# Allegro board TDI_KU5P_QSFP28_CXP_V001-20240805_1841.brd (continued)
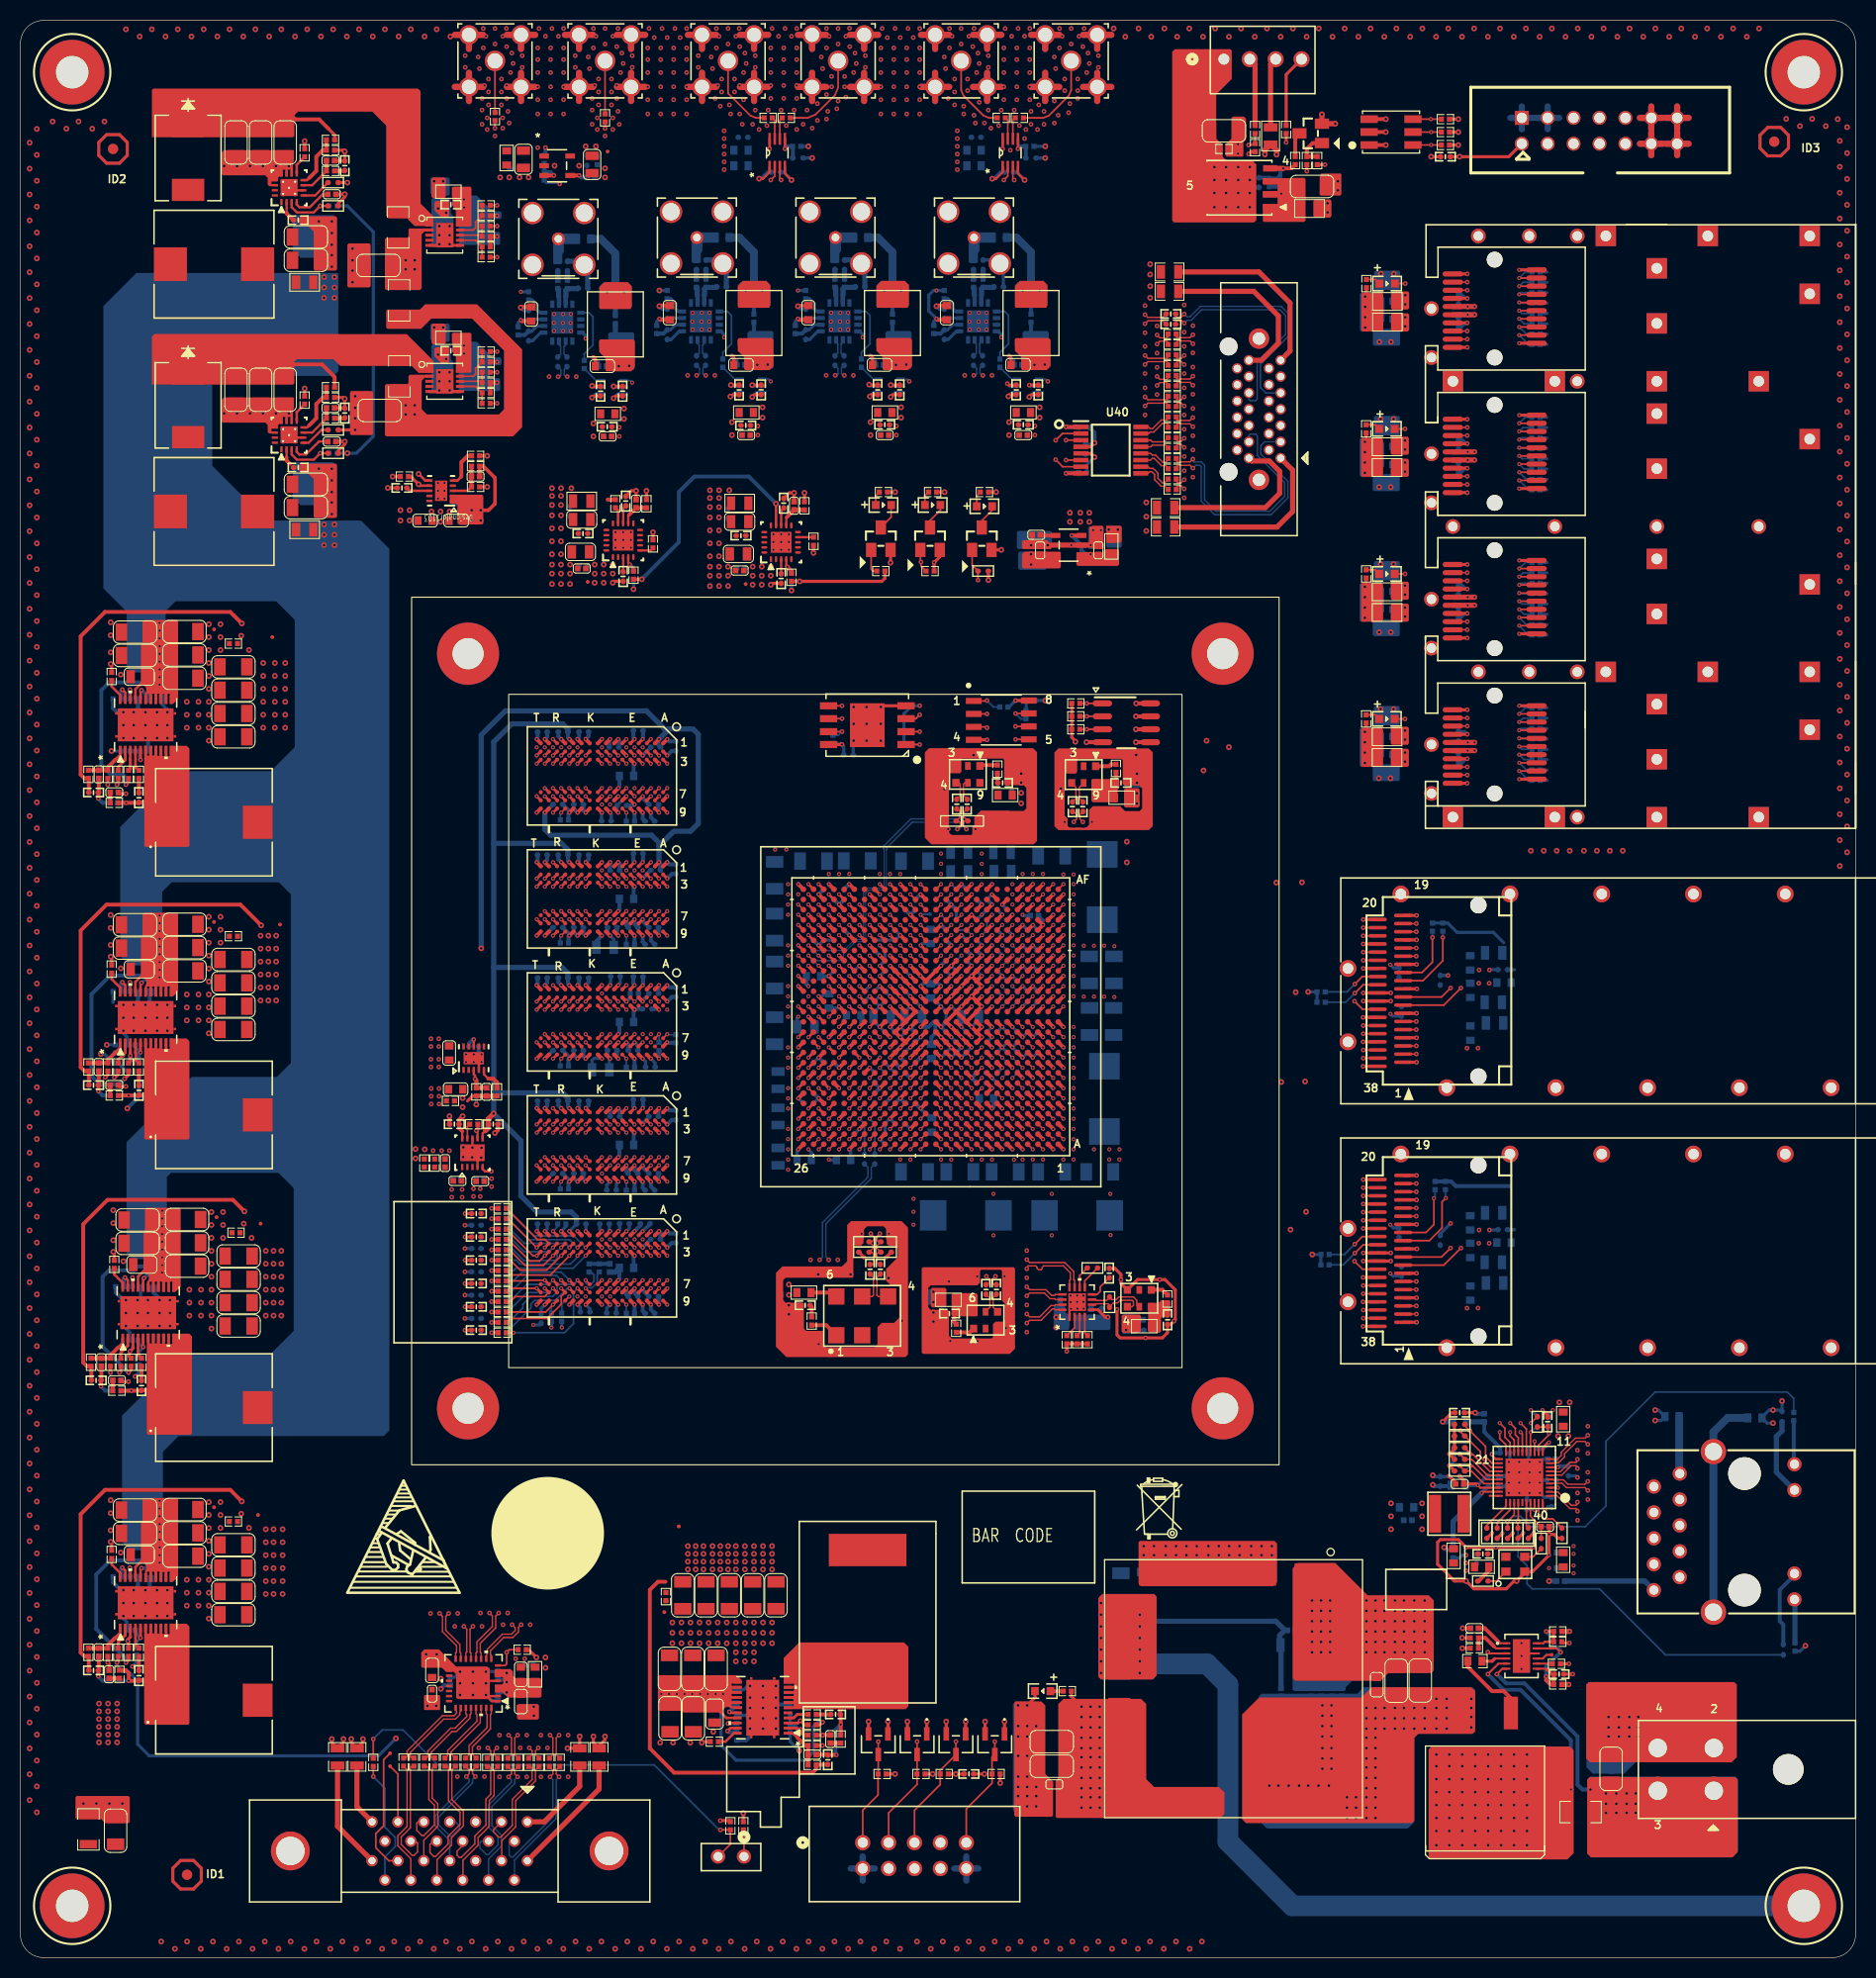
[diagram p0: board, top side]
## Routing (per net, layer and track width the routed paths; a pad name or vN(x,y) marks a point on that pad's centre or on a via; arc(x,y) is an arc through that point) (continued)
CHA_FPGA_DDR4_C1_D35: length 38.4
  TOP w0.267: U7.H7 v1(57.84,78.51) ; U1.J20 v1(82.29,87.27)
  ART12 w0.165: v1(57.84,78.51) 58.03,78.51 58.43,78.1 58.85,78.1 59.04,77.92 59.04,77.41
  ART12 w0.191: 59.04,77.41 59.04,77.3 59.73,76.61 63.79,76.61 64.25,76.15 66.94,76.15 67.27,76.47 67.54,76.47 67.69,76.32 67.96,76.32 68.23,76.59 68.23,76.86 68.08,77.01 68.08,77.28 68.35,77.55 68.62,77.55 68.77,77.4 69.04,77.4 69.31,77.67 69.31,77.94 69.16,78.09 69.16,78.36 69.43,78.63 69.69,78.63 69.84,78.48 70.11,78.48 70.38,78.75 70.38,79.02 70.23,79.17 70.23,79.44 70.5,79.71 70.77,79.71 70.92,79.56 71.19,79.56 71.46,79.83 71.46,80.1 71.31,80.25 71.31,80.52 74.57,83.77 75.48,83.77 75.79,84.08 75.79,84.61 75.96,84.78 76.88,84.78 77.08,84.58 77.08,84.01 77.27,83.82 77.65,83.82 77.84,84.01 77.84,84.58 78.03,84.78 78.62,84.78 78.81,84.59 78.81,84.14 79.1,83.85 79.48,83.85 79.7,84.06 79.7,84.58 79.89,84.78 80.51,84.78 80.8,85.06 80.8,85.49 81.08,85.78 81.5,85.78 81.79,86.07 81.79,86.77 v1(82.29,87.27)
CHA_FPGA_DDR4_C1_D36: length 39.6
  TOP w0.267: U7.H2 v1(57.84,81.71) ; U1.J21 v1(81.29,87.27)
  ART12 w0.165: v1(57.84,81.71) 57.84,81.52 57.44,81.12 57.44,80.37 59.04,78.77 59.04,78.29 59.23,78.1 59.65,78.1 59.84,77.92 59.84,77.46
  ART12 w0.191: 59.84,77.46 60.03,77.27 63.77,77.27 64.02,77.52 64.3,77.52 64.49,77.33 64.49,76.92 64.68,76.73 65.06,76.73 65.25,76.92 65.25,77.33 65.44,77.52 65.83,77.52 66.02,77.33 66.02,76.92 66.21,76.73 66.59,76.73 66.78,76.92 66.78,77.28 66.97,77.47 67.45,77.47 72.74,82.76 72.74,83.02 72.17,83.59 72.17,83.86 72.44,84.13 72.71,84.13 73.28,83.56 73.55,83.56 73.82,83.83 73.82,84.1 73.25,84.67 73.25,84.94 73.52,85.21 73.79,85.21 74.35,84.64 74.62,84.64 74.79,84.81 74.79,85.59 74.98,85.78 80.5,85.78 80.79,86.07 80.79,86.49 81.29,86.98 v1(81.29,87.27)
CHA_FPGA_DDR4_C1_D37: length 36.8
  TOP w0.267: U7.H8 v1(57.84,77.7) ; U1.J19 v1(84.3,88.28)
  ART12 w0.165: 58.24,75.83 58.24,76.42 57.84,76.82 v1(57.84,77.7)
  ART12 w0.191: v1(84.3,88.28) 84.3,88.27 84.14,88.11 arc(83.89,87.73) 83.8,87.28 arc(83.65,86.93) 83.29,86.78 83.22,86.78 arc(82.92,86.64) 82.79,86.33 82.79,86.07 82.79,86.07 82.79,85.29 arc(82.64,84.92) 82.28,84.78 arc(81.94,84.63) 81.79,84.28 arc(81.64,83.93) 81.29,83.78 arc(80.94,83.63) 80.79,83.28 arc(80.64,82.92) 80.28,82.78 arc(79.94,82.63) 79.79,82.29 79.79,82.29 arc(79.66,81.95) 79.32,81.81 75.1,81.81 68.24,74.96 59.11,74.96 58.24,75.83
CHA_FPGA_DDR4_C1_D38: length 39.8
  TOP w0.267: U7.J3 v1(57.04,80.91) ; U1.M20 v1(82.29,90.27)
  ART12 w0.165: 57.88,84.02 57.44,83.59 57.44,81.49 57.04,81.09 v1(57.04,80.91)
  ART12 w0.191: v1(82.29,90.27) 81.79,90.77 81.79,92.29 81.3,92.78 71,92.78 66.86,88.64 66.86,88.37 67.17,88.05 67.17,87.78 66.91,87.51 66.64,87.51 66.32,87.83 66.05,87.83 65.78,87.56 65.78,87.29 66.1,86.98 66.1,86.71 65.83,86.44 65.56,86.44 65.24,86.75 64.97,86.75 64.7,86.48 64.7,86.21 65.02,85.9 65.02,85.63 64.75,85.36 64.48,85.36 64.16,85.67 63.9,85.67 63.43,85.21 63.43,84.94 63.82,84.55 63.82,84.28 63.55,84.01 63.28,84.01 62.89,84.4 62.62,84.4 62.25,84.02 57.88,84.02
CHA_FPGA_DDR4_C1_D39: length 39.8
  TOP w0.267: U7.J7 v1(57.04,78.51) ; U1.K20 v1(83.3,88.28)
  ART12 w0.165: v1(57.04,78.51) 57.44,78.1 58.05,78.1 58.24,77.92 58.24,77.31 59.04,76.51 59.04,75.83
  ART12 w0.191: v1(83.3,88.28) 82.8,87.77 82.8,87.12 82.29,86.62 82.29,85.98 81.79,85.48 81.79,85.07 81.5,84.78 81.08,84.78 80.8,84.49 80.8,84.06 80.51,83.78 80.05,83.78 79.8,83.52 79.8,83.13 79.44,82.78 76.99,82.78 76.8,82.97 76.8,83.55 76.6,83.74 76.22,83.74 76.03,83.55 76.03,82.97 75.84,82.78 74.95,82.78 74.82,82.92 74.55,82.92 74.28,82.65 74.28,82.38 74.42,82.24 74.42,81.97 74.15,81.7 73.88,81.7 73.74,81.84 73.47,81.84 73.2,81.57 73.2,81.3 73.34,81.16 73.34,80.89 73.07,80.62 72.8,80.62 72.66,80.76 72.39,80.76 72.12,80.49 72.12,80.22 72.26,80.08 72.26,79.81 68.01,75.56 59.3,75.56 59.04,75.83
CHA_FPGA_DDR4_C1_D40: length 23.3
  TOP w0.267: U7.A3 v1(63.44,80.91) ; U1.K25 v1(77.29,88.28)
  ART05 w0.191: v1(77.29,88.28) 76.79,88.78 73.63,88.78 71.27,86.42 71.01,86.42 70.6,86.83 70.33,86.83 70.06,86.56 70.06,86.29 70.47,85.88 70.47,85.62 70.2,85.35 69.93,85.35 69.52,85.75 69.25,85.75 68.98,85.48 68.98,85.21 69.39,84.81 69.39,84.54 69.12,84.27 68.85,84.27 68.45,84.67 68.18,84.67 67.91,84.4 67.91,84.13 68.31,83.73 68.31,83.46 68.07,83.22 67.8,83.22 67.43,83.58 67.09,83.58 64.41,80.91 v1(63.44,80.91)
CHA_FPGA_DDR4_C1_D41: length 25.7
  TOP w0.267: U7.B8 v1(62.64,77.7) ; U1.K22 v1(80.29,88.28)
  ART05 w0.191: v1(80.29,88.28) 79.6,88.28 78.8,87.47 78.8,85.13 78.44,84.78 74.99,84.78 74.69,84.48 74.69,84.23 67.68,77.22 66.92,77.22 66.61,77.52 66.15,77.52 65.85,77.22 65.39,77.22 65.09,77.52 64.63,77.52 64.33,77.22 63.13,77.22 v1(62.64,77.7)
CHA_FPGA_DDR4_C1_D42: length 24.5
  TOP w0.267: U1.M25 v1(77.29,90.27) ; U7.C3 v1(61.84,80.91)
  ART05 w0.165: v1(61.84,80.91) 62.24,81.31 63.97,81.31
  ART05 w0.191: 63.97,81.31 64.21,81.55 64.21,81.82 64.01,82.02 64.01,82.29 64.28,82.56 64.55,82.56 64.75,82.35 65.02,82.35 70.33,87.66 70.6,87.66 71.01,87.24 71.28,87.24 71.55,87.51 71.55,87.78 71.13,88.2 71.13,88.47 71.4,88.74 71.67,88.74 72.09,88.32 72.36,88.32 72.63,88.59 72.63,88.86 72.21,89.28 72.21,89.55 72.44,89.78 76.79,89.78 v1(77.29,90.27)
CHA_FPGA_DDR4_C1_D43: length 25.8
  TOP w0.267: U1.J24 v1(78.29,87.27) ; U7.C7 v1(61.84,78.51)
  ART05 w0.165: v1(61.84,78.51) 62.24,78.1 63.74,78.1
  ART05 w0.191: 63.74,78.1 67.71,78.1 71.71,82.11 71.71,82.38 71.24,82.84 71.24,83.11 71.51,83.38 71.78,83.38 72.25,82.91 72.52,82.91 72.79,83.18 72.79,83.45 72.32,83.92 72.32,84.19 72.59,84.46 72.86,84.46 73.32,83.99 73.59,83.99 74.08,84.48 74.08,85.06 74.79,85.78 77.61,85.78 77.79,85.96 77.79,86.77 v1(78.29,87.27)
CHA_FPGA_DDR4_C1_D44: length 24.7
  TOP w0.267: U1.M26 v1(76.29,90.27) ; U7.C2 v1(61.84,81.71)
  ART05 w0.191: v1(76.29,90.27) 76.17,90.4 71.29,90.4 70.86,89.97 70.86,89.7 71.06,89.5 71.06,89.23 70.79,88.97 70.52,88.97 70.32,89.17 70.05,89.17 69.78,88.9 69.78,88.63 69.99,88.43 69.99,88.16 69.72,87.89 69.45,87.89 69.25,88.09 68.98,88.09 68.71,87.82 68.71,87.55 68.91,87.35 68.91,87.08 68.64,86.81 68.37,86.81 68.17,87.01 67.9,87.01 67.63,86.74 67.63,86.47 67.83,86.27 67.83,86 67.56,85.73 67.29,85.73 67.09,85.93 66.82,85.93 66.55,85.66 66.55,85.39 66.75,85.19 66.75,84.92 66.48,84.65 66.21,84.65 66.01,84.85 65.74,84.85 65.47,84.58 65.47,84.31 65.67,84.11 65.67,83.84 65.4,83.58 65.13,83.58 64.93,83.78 64.66,83.78 63.13,82.25 62.37,82.25 61.84,81.71 v1(61.84,81.71)
CHA_FPGA_DDR4_C1_D45: length 25.9
  TOP w0.267: U7.C8 v1(61.84,77.7) ; U1.J23 v1(79.29,87.27)
  ART05 w0.191: v1(79.29,87.27) 79.79,86.77 79.79,85.06 79.49,84.76 79.06,84.76 78.83,84.53 78.83,83.97 78.63,83.77 75.1,83.77 67.96,76.63 62.91,76.63 v1(61.84,77.7)
CHA_FPGA_DDR4_C1_D46: length 25.5
  TOP w0.267: U7.D3 v1(61.04,80.91) ; U1.K23 v1(79.29,89.28)
  ART05 w0.165: 63.04,83.6 63.04,83.04 62.69,82.69 62.23,82.69 61.44,81.89 61.44,81.31 v1(61.04,80.91)
  ART05 w0.191: v1(79.29,89.28) 78.79,89.78 78.79,90.56 78.37,90.98 70.42,90.98 63.04,83.6
CHA_FPGA_DDR4_C1_D47: length 23.4
  TOP w0.267: U7.D7 v1(61.04,78.51) ; U1.K26 v1(76.29,88.28)
  ART05 w0.191: v1(76.29,88.28) 75.79,87.77 73.49,87.77 68.05,82.34 67.78,82.34 67.4,82.71 67.13,82.71 66.86,82.44 66.86,82.17 67.24,81.8 67.24,81.53 66.97,81.26 66.7,81.26 66.32,81.64 66.06,81.64 65.79,81.37 65.79,81.1 66.16,80.72 66.16,80.45 65.98,80.26 62.8,80.26 v1(61.04,78.51)
CHA_FPGA_DDR4_C1_D48: length 37.8
  TOP w0.267: U1.H24 v1(78.29,86.28) ; U9.G2 v1(58.64,69.64)
  ART10 w0.165: 64.17,70.18 64.04,70.04 59.04,70.04 v1(58.64,69.64)
  ART10 w0.191: 64.17,70.18 66.87,72.87 67.14,72.87 67.44,72.57 67.71,72.57 67.98,72.84 67.98,73.11 67.68,73.41 67.68,73.68 67.95,73.95 68.22,73.95 68.52,73.65 68.79,73.65 69.06,73.92 69.06,74.19 68.76,74.49 68.76,74.76 69.03,75.03 69.3,75.03 69.6,74.73 69.87,74.73 70.14,75 70.14,75.27 69.2,76.2 69.2,76.93 69.4,77.12 70,77.12 70.2,77.32 70.2,77.7 70,77.89 69.4,77.89 69.2,78.08 69.2,78.46 69.4,78.65 70,78.65 70.2,78.84 70.2,79.22 70,79.41 69.4,79.41 69.2,79.6 69.2,80.16 74.44,85.39 74.79,85.39 75.17,85.78 77.79,85.78 v1(78.29,86.28)
CHA_FPGA_DDR4_C1_D49: length 38
  TOP w0.267: U9.F7 v1(59.44,66.44) ; U1.H23 v1(79.29,86.28)
  ART10 w0.191: v1(59.44,66.44) 59.95,66.95 65.73,66.95 73.45,74.68 73.45,75.96 73.64,76.15 74.2,76.15 74.39,76.34 74.39,76.73 74.2,76.92 73.54,76.92 73.35,77.11 73.35,77.49 73.54,77.68 74.27,77.68 74.46,77.87 74.46,78.25 74.27,78.44 73.54,78.44 73.35,78.63 73.35,79.08 73.54,79.27 74.41,79.27 74.91,79.78 76.5,79.78 76.79,80.07 76.79,82.53 77.04,82.78 77.5,82.78 77.79,83.07 77.79,83.44 78.13,83.78 78.5,83.78 78.78,84.06 78.78,85.76 v1(79.29,86.28)
CHA_FPGA_DDR4_C1_D50: length 33.6
  TOP w0.267: U9.H3 v1(57.84,68.84) ; U1.J26 v1(76.29,87.27)
  ART10 w0.165: 57.53,71.56 57.44,71.47 57.44,69.24 v1(57.84,68.84)
  ART10 w0.191: 57.53,71.56 57.88,71.91 62.3,71.91 62.97,72.58 63.24,72.58 63.84,71.99 64.11,71.99 64.38,72.26 64.38,72.53 63.78,73.12 63.78,73.39 67.91,77.52 67.91,80.8 74.16,87.05 74.92,87.05 75.15,86.82 75.84,86.82 v1(76.29,87.27)
CHA_FPGA_DDR4_C1_D51: length 37.9
  TOP w0.267: U9.H7 v1(57.84,66.44) ; U1.H22 v1(80.29,86.28)
  ART10 w0.165: v1(57.84,66.44) 58.24,66.04 59.61,66.04 59.84,65.81 59.84,65.38
  ART10 w0.191: v1(80.29,86.28) 79.79,85.78 79.79,85.06 80.23,84.63 80.23,83.92 79.79,83.49 79.79,81.48 79.79,81.48 79.79,80.07 79.79,80.06 79.79,79.07 79.5,78.78 79,78.78 78.73,78.51 78.73,78 65.88,65.15 60.07,65.15 59.84,65.38
CHA_FPGA_DDR4_C1_D52: length 34.4
  TOP w0.267: U1.H26 v1(76.29,86.28) ; U9.H2 v1(57.84,69.64)
  ART10 w0.165: 63.95,71.1 63.69,70.84 59.04,70.84 v1(57.84,69.64)
  ART10 w0.191: v1(76.29,86.28) 74.43,86.28 68.57,80.42 68.57,75.72 68.34,75.49 68.07,75.49 67.59,75.97 67.32,75.97 67.05,75.7 67.05,75.43 67.53,74.95 67.53,74.68 67.26,74.41 66.99,74.41 66.51,74.89 66.24,74.89 65.97,74.62 65.97,74.35 66.45,73.87 66.45,73.6 66.18,73.33 65.91,73.33 65.43,73.81 65.16,73.81 64.89,73.54 64.89,73.27 65.38,72.79 65.38,72.52 63.95,71.1
CHA_FPGA_DDR4_C1_D53: length 38
  TOP w0.267: U1.H21 v1(81.29,86.28) ; U9.H8 v1(57.84,65.64)
  ART10 w0.191: v1(81.29,86.28) 80.79,85.78 80.79,83.49 80.79,83.48 80.79,82.07 80.79,82.07 80.79,79.03 66.33,64.57 59.77,64.57 58.31,65.17 v1(57.84,65.64)
CHA_FPGA_DDR4_C1_D54: length 33.7
  TOP w0.267: U1.J25 v1(77.29,87.27) ; U9.J3 v1(57.04,68.84)
  ART10 w0.191: v1(57.04,68.84) 56.63,69.25 56.63,71.6 57.65,72.62 62.12,72.62 67.2,77.7 67.2,81.05 73.92,87.77 76.79,87.77 v1(77.29,87.27)
CHA_FPGA_DDR4_C1_D55: length 34.7
  TOP w0.267: U9.J7 v1(57.04,66.44) ; U1.G26 v1(76.29,85.28)
  ART10 w0.165: 63.71,69.24 58.46,69.24 58.24,69.02 58.24,67.64 v1(57.04,66.44)
  ART10 w0.191: v1(76.29,85.28) 75.79,84.78 74.7,84.78 70.81,80.88 70.81,74.85 67.49,71.54 67.22,71.54 66.97,71.79 66.7,71.79 66.43,71.52 66.43,71.25 66.68,71 66.68,70.73 66.41,70.46 66.14,70.46 65.89,70.71 65.62,70.71 65.35,70.44 65.35,70.17 65.6,69.92 65.6,69.65 65.19,69.24 63.71,69.24
CHA_FPGA_DDR4_C1_D56: length 32.7
  TOP w0.267: U9.A3 v1(63.44,68.84) ; U1.D24 v1(78.29,83.28)
  ART03 w0.191: v1(63.44,68.84) 64.36,68.84 67.73,72.21 67.73,72.57 67.92,72.76 68.43,72.76 68.62,72.95 68.62,73.33 68.43,73.52 67.92,73.52 67.73,73.71 67.73,74.09 67.92,74.28 68.43,74.28 68.62,74.47 68.62,74.86 68.43,75.05 67.92,75.05 67.73,75.24 67.73,75.62 67.92,75.81 68.43,75.81 68.62,76 68.62,76.38 68.43,76.57 67.92,76.57 67.73,76.76 67.73,77.14 67.92,77.33 68.43,77.33 68.62,77.52 68.62,77.9 68.43,78.09 67.92,78.09 67.73,78.28 67.73,80.57 70.94,83.77 77.8,83.77 v1(78.29,83.28)
CHA_FPGA_DDR4_C1_D57: length 31.2
  TOP w0.267: U1.C26 v1(76.29,81.27) ; U9.B8 v1(62.64,65.64)
  ART03 w0.191: v1(62.64,65.64) 63.1,65.18 65.42,65.18 73.35,73.1 73.35,73.77 73.15,73.96 72.82,73.96 72.63,74.15 72.63,74.53 72.82,74.72 73.15,74.72 73.35,74.91 73.35,76.51 73.54,76.7 74.42,76.7 74.62,76.89 74.62,77.27 74.42,77.46 73.54,77.46 73.35,77.65 73.35,78.03 73.54,78.22 74.42,78.22 74.62,78.41 74.62,78.79 74.42,78.98 73.54,78.98 73.35,79.17 73.35,79.59 73.53,79.77 75.5,79.77 75.83,80.11 75.83,80.52 76.29,80.98 v1(76.29,81.27)
CHA_FPGA_DDR4_C1_D58: length 35.3
  TOP w0.267: U9.C3 v1(61.84,68.84) ; U1.E23 v1(79.29,83.28)
  ART03 w0.165: v1(61.84,68.84) 62.24,69.24 63.69,69.24
  ART03 w0.191: 63.69,69.24 67.12,72.67 67.12,73.03 66.93,73.22 66.42,73.22 66.23,73.41 66.23,73.79 66.42,73.98 66.93,73.98 67.12,74.17 67.12,74.55 66.93,74.74 66.42,74.74 66.23,74.94 66.23,75.32 66.42,75.51 66.93,75.51 67.12,75.7 67.12,76.08 66.93,76.27 66.42,76.27 66.23,76.46 66.23,76.84 66.42,77.03 66.93,77.03 67.12,77.22 67.12,80.9 71,84.78 78.63,84.78 78.83,84.58 78.83,83.74 v1(79.29,83.28)
CHA_FPGA_DDR4_C1_D59: length 30.7
  TOP w0.267: U9.C7 v1(61.84,66.44) ; U1.D26 v1(76.29,82.28)
  ART03 w0.165: 63.59,66.04 62.43,66.04 62.03,66.44 v1(61.84,66.44)
  ART03 w0.191: 63.59,66.04 65.47,66.04 72,72.57 72,75.84 72.19,76.03 72.52,76.03 72.71,76.23 72.71,76.61 72.52,76.8 72.19,76.8 72,76.99 72,77.37 72.19,77.56 72.52,77.56 72.71,77.75 72.71,78.13 72.52,78.32 72.19,78.32 72,78.51 72,78.89 72.19,79.08 72.52,79.08 72.71,79.27 72.71,79.65 72.52,79.84 72.19,79.84 72,80.04 72,80.63 72.14,80.77 75.5,80.77 75.79,81.07 75.79,81.39 76.29,81.89 v1(76.29,82.28)
CHA_FPGA_DDR4_C1_D60: length 35.1
  TOP w0.267: U9.C2 v1(61.84,69.64) ; U1.F23 v1(79.29,84.27)
  ART03 w0.191: v1(79.29,84.27) 79.29,84.65 78.83,85.12 78.83,85.59 78.64,85.78 70.12,85.78 66.84,82.49 66.84,82.22 66.99,82.07 66.99,81.81 66.72,81.54 66.45,81.54 66.3,81.69 66.03,81.69 65.62,81.28 65.62,80.21 65.81,80.02 66.35,80.02 66.54,79.82 66.54,79.44 66.35,79.25 65.81,79.25 65.62,79.06 65.62,78.68 65.81,78.49 66.35,78.49 66.54,78.3 66.54,77.92 66.35,77.73 65.81,77.73 65.62,77.54 65.62,72.59 63.41,70.38 62.58,70.38 v1(61.84,69.64)
CHA_FPGA_DDR4_C1_D61: length 32.3
  TOP w0.267: U1.D25 v1(77.29,82.28) ; U9.C8 v1(61.84,65.64)
  ART03 w0.165: 62.32,63.71 62.24,63.79 62.24,64.47 61.84,64.87 v1(61.84,65.64)
  ART03 w0.191: 62.32,63.71 62.48,63.55 65.75,63.55 75.62,73.42 75.62,73.69 75.01,74.29 75.01,74.56 75.28,74.83 75.55,74.83 76.09,74.29 76.36,74.29 76.55,74.48 76.55,78.71 76.79,78.96 76.79,81.81 77.26,82.28 v1(77.29,82.28)
CHA_FPGA_DDR4_C1_D62: length 31
  TOP w0.267: U9.D3 v1(61.04,68.84) ; U1.B26 v1(76.29,80.27)
  ART03 w0.165: v1(61.04,68.84) 61.04,67.22 61.44,66.82 61.44,66.23 61.63,66.04 62.05,66.04 62.24,65.85 62.24,65.11 62.75,64.59
  ART03 w0.191: 62.75,64.59 65.83,64.59 74.51,73.28 74.51,73.91 74.32,74.1 74.07,74.1 73.88,74.29 73.88,74.67 74.07,74.86 74.4,74.86 74.59,75.05 74.59,75.91 74.78,76.1 75.67,76.1 75.79,76.22 75.79,79.48 76.29,79.98 v1(76.29,80.27)
CHA_FPGA_DDR4_C1_D63: length 31.3
  TOP w0.267: U1.B25 v1(77.29,80.27) ; U9.D7 v1(61.04,66.44)
  ART03 w0.165: v1(61.04,66.44) 61.04,66.25 61.44,65.85 61.44,63.82
  ART03 w0.191: 61.44,63.82 61.44,63.6 62.09,62.94 66,62.94 77.28,74.22 77.76,78.92 77.76,79.8 v1(77.29,80.27)
CHA_FPGA_DDR4_C1_D64: length 29.2
  TOP w0.267: U1.R20 v1(82.29,94.28) ; U8.G2 v1(58.64,93.77)
  ART03 w0.165: v1(58.64,93.77) 59.04,93.37 61.56,93.37 62.35,92.58 63.65,92.58
  ART03 w0.191: 63.65,92.58 64.07,92.58 64.24,92.75 64.24,93.31 64.4,93.47 64.73,93.47 64.9,93.31 64.9,92.75 65.06,92.58 65.39,92.58 65.56,92.75 65.56,93.31 65.72,93.47 66.05,93.47 66.22,93.31 66.22,92.85 66.47,92.6 74.91,92.6 75.09,92.78 81.44,92.78 81.75,93.09 81.75,93.45 82.29,93.99 v1(82.29,94.28)
CHA_FPGA_DDR4_C1_D65: length 33.6
  TOP w0.267: U8.F7 v1(59.44,90.57) ; U1.N22 v1(80.29,91.27)
  ART03 w0.165: 63.72,90.17 59.84,90.17 v1(59.44,90.57)
  ART03 w0.191: v1(80.29,91.27) 80.21,91.19 77.09,91.19 76.79,90.89 76.79,89.96 76.61,89.78 75.9,89.78 75.76,89.92 75.76,90.73 75.55,90.93 75.08,90.93 74.89,90.74 74.89,89.69 74.62,89.41 73.05,89.41 72.86,89.22 72.86,88.99 72.67,88.8 72.23,88.8 72.04,88.99 72.04,89.22 71.85,89.41 71.47,89.41 71.27,89.22 71.27,88.71 71.08,88.52 70.7,88.52 70.51,88.71 70.51,89.22 70.32,89.41 69.94,89.41 69.75,89.22 69.75,88.71 69.56,88.52 69.18,88.52 68.99,88.71 68.99,89.22 68.8,89.41 68.42,89.41 68.23,89.22 68.23,88.71 68.04,88.52 67.66,88.52 67.46,88.71 67.46,89.22 67.27,89.41 66.89,89.41 66.7,89.22 66.7,88.71 66.51,88.52 66.13,88.52 65.94,88.71 65.94,89.22 65.75,89.41 65.37,89.41 65.18,89.22 65.18,88.71 64.99,88.52 64.61,88.52 64.42,88.71 64.42,89.47 63.72,90.17
CHA_FPGA_DDR4_C1_D66: length 33.7
  TOP w0.267: U8.H3 v1(57.84,92.97) ; U1.P21 v1(81.29,93.28)
  ART03 w0.165: v1(57.84,92.97) 57.44,93.37 57.44,95.57
  ART03 w0.191: v1(81.29,93.28) 81.29,93.57 81.79,94.07 81.79,94.49 81.5,94.78 81.08,94.78 80.79,95.07 80.79,95.49 80.5,95.78 75.81,95.78 75.45,96.14 74.22,96.14 74.03,95.95 74.03,95.77 73.84,95.58 73.46,95.58 73.27,95.77 73.27,95.95 73.08,96.14 72.7,96.14 72.51,95.95 72.51,95.77 72.32,95.58 71.94,95.58 71.75,95.77 71.75,95.95 71.56,96.14 71.18,96.14 70.99,95.95 70.99,95.77 70.79,95.58 70.41,95.58 70.22,95.77 70.22,95.95 70.03,96.14 69.65,96.14 69.46,95.95 69.46,95.77 69.27,95.58 68.89,95.58 68.7,95.77 68.7,95.95 68.51,96.14 58,96.14 57.44,95.57
CHA_FPGA_DDR4_C1_D67: length 33.2
  TOP w0.267: U8.H7 v1(57.84,90.57) ; U1.P19 v1(83.29,93.28)
  ART03 w0.165: 58.24,89.5 58.24,90.17 v1(57.84,90.57)
  ART03 w0.191: v1(83.29,93.28) 83.29,93.03 82.16,91.9 81.09,91.9 80.79,91.6 80.79,90.98 80.54,90.73 78.01,90.73 77.79,90.52 77.79,89.05 77.51,88.77 73.47,88.77 72.63,87.93 64.14,87.93 63.95,88.13 63.95,88.93 63.64,89.23 61.88,89.23 61.69,89.04 61.69,88.96 61.5,88.77 61.12,88.77 60.93,88.96 60.93,89.04 60.73,89.23 60.35,89.23 60.16,89.04 60.16,88.96 59.97,88.77 59.59,88.77 59.4,88.96 59.4,89.04 59.21,89.23 58.51,89.23 58.24,89.5
CHA_FPGA_DDR4_C1_D68: length 30
  TOP w0.267: U1.R21 v1(81.29,94.28) ; U8.H2 v1(57.84,93.77)
  ART03 w0.191: v1(57.84,93.77) 57.84,94.2 58.56,94.92 64.31,94.92 64.5,95.11 64.5,95.26 64.69,95.45 65.07,95.45 65.26,95.26 65.26,95.11 65.45,94.92 70.83,94.92 71.02,94.73 71.02,93.97 71.21,93.78 71.6,93.78 71.79,93.97 71.79,94.73 71.98,94.92 72.36,94.92 72.55,94.73 72.55,93.97 72.74,93.78 73.12,93.78 73.31,93.97 73.31,94.73 73.5,94.92 74.41,94.92 74.55,94.78 80.5,94.78 81,94.28 v1(81.29,94.28)
CHA_FPGA_DDR4_C1_D69: length 33.4
  TOP w0.267: U8.H8 v1(57.84,89.77) ; U1.N21 v1(81.29,91.27)
  ART03 w0.165: 58.24,87.75 58.24,88.77 57.84,89.17 v1(57.84,89.77)
  ART03 w0.191: 58.24,87.75 58.64,87.35 73.33,87.35 73.52,87.54 73.52,88 73.71,88.19 74.09,88.19 74.28,88 74.28,87.54 74.47,87.35 74.74,87.35 75.17,87.77 78.54,87.77 78.8,88.03 78.8,89.59 78.99,89.78 79.59,89.78 79.79,89.58 79.79,88.92 79.94,88.78 80.6,88.78 80.79,88.97 80.79,89.57 81,89.78 81.5,89.78 81.79,90.07 81.79,90.77 v1(81.29,91.27)
CHA_FPGA_DDR4_C1_D70: length 33.7
  TOP w0.267: U1.P20 v1(82.29,93.28) ; U8.J3 v1(57.04,92.97)
  ART03 w0.191: v1(57.04,92.97) 56.58,93.43 56.58,95.71 57.66,96.78 80.5,96.78 80.79,96.49 80.79,96.07 81.08,95.78 81.55,95.78 81.79,95.54 81.79,95.07 82.08,94.78 82.4,94.78 82.79,94.39 82.79,93.78 v1(82.29,93.28)
CHA_FPGA_DDR4_C1_D71: length 33.3
  TOP w0.267: U8.J7 v1(57.04,90.57) ; U1.N19 v1(83.29,91.27)
  ART03 w0.165: 57.44,87.56 57.44,90.17 v1(57.04,90.57)
  ART03 w0.191: 57.44,87.56 58.22,86.78 79.45,86.78 79.79,87.12 79.79,87.45 80.12,87.77 80.47,87.77 81.79,89.09 81.79,89.48 82.08,89.78 82.53,89.78 82.79,90.04 82.79,90.77 v1(83.29,91.27)
CHA_FPGA_DDR4_C1_DM0: length 27
  TOP w0.267: U5.E7 v1(60.24,102.64) ; U1.AE25 v1(77.29,104.28)
  ART03 w0.191: v1(60.24,102.64) 60.8,103.2 65.89,103.2 66.08,103.01 66.08,101.05 66.27,100.86 66.65,100.86 66.84,101.05 66.84,101.54 67.03,101.73 67.41,101.73 67.6,101.54 67.6,101.05 67.8,100.86 68.18,100.86 68.37,101.05 68.37,101.54 68.56,101.73 68.94,101.73 69.13,101.54 69.13,101.05 69.32,100.86 69.7,100.86 69.89,101.05 69.89,101.54 70.13,101.78 77.5,101.78 77.87,102.15 77.87,103.42 77.29,103.99 v1(77.29,104.28)
CHA_FPGA_DDR4_C1_DM1: length 24.9
  TOP w0.267: U5.E2 v1(60.24,105.84) ; U1.AE22 v1(80.29,104.28)
  ART05 w0.165: 63.72,105.51 63.64,105.44 60.84,105.44 v1(60.24,105.84)
  ART05 w0.191: 63.72,105.51 66.36,108.15 77.36,108.15 78.78,106.73 78.78,106.12 79.11,105.79 79.47,105.79 79.79,105.46 80.06,105.07 80.21,104.7 v1(80.29,104.28)
CHA_FPGA_DDR4_C1_DM2: length 45.5
  TOP w0.267: U1.AD20 v1(82.29,103.28) ; U6.E7 v1(60.24,113.9)
  ART05 w0.165: v1(60.24,113.9) 59.47,113.13 58.4,113.13 58.24,112.97 58.24,112.05
  ART05 w0.191: 58.24,112.05 58,111.81 58,109.69 58.19,109.5 58.53,109.5 58.72,109.69 58.72,111.62 58.91,111.81 59.3,111.81 59.49,111.62 59.49,109.69 59.68,109.5 60.06,109.5 60.25,109.69 60.25,111.62 60.44,111.81 60.82,111.81 61.01,111.62 61.01,109.72 61.2,109.52 63.69,109.52 65.06,110.9 78.15,110.9 82.22,106.82 82.22,103.35 v1(82.29,103.28)
CHA_FPGA_DDR4_C1_DM3: length 43.6
  TOP w0.267: U6.E2 v1(60.24,117.9) ; U1.Y20 v1(82.29,99.28)
  ART03 w0.165: v1(60.24,117.9) 59.84,117.5 59.84,116.85 59.04,116.04 59.04,112.06
  ART03 w0.191: v1(82.29,99.28) 81.79,98.78 79.01,98.78 78.79,99 78.79,108.57 78.02,109.35 59.32,109.35 59.04,109.63 59.04,112.06
CHA_FPGA_DDR4_C1_DM4: length 35.6
  TOP w0.267: U7.E7 v1(60.24,78.51) ; U1.L18 v1(84.29,89.28)
  ART12 w0.191: v1(84.29,89.28) 83.79,88.78 82.09,88.78 81.66,88.34 81.07,88.34 80.5,87.77 74.28,87.77 69.58,83.08 69.31,83.08 68.87,83.52 68.6,83.52 68.33,83.25 68.33,82.98 68.78,82.54 68.78,82.27 68.51,82 68.24,82 67.79,82.44 67.52,82.44 67.26,82.18 67.26,81.91 67.7,81.46 67.7,81.19 67.43,80.92 67.16,80.92 66.72,81.37 66.45,81.37 66.18,81.1 66.18,80.83 66.62,80.39 66.62,80.12 66.24,79.74 65.97,79.74 65.77,79.94 65.5,79.94 65.23,79.67 65.23,79.4 65.43,79.2 65.43,78.93 65.19,78.69 64,78.69 63.67,79.02 60.75,79.02 v1(60.24,78.51)
CHA_FPGA_DDR4_C1_DM5: length 27.1
  TOP w0.267: U7.E2 v1(60.24,81.71) ; U1.L22 v1(80.29,89.28)
  ART05 w0.165: v1(60.24,81.71) 60.85,82.32 61.46,82.32 62.24,83.1 62.24,83.56
  ART05 w0.191: 62.24,83.56 62.24,83.63 70.17,91.57 78.65,91.57 79.79,90.43 79.79,89.78 v1(80.29,89.28)
CHA_FPGA_DDR4_C1_DM6: length 35.7
  TOP w0.267: U1.G24 v1(79.3,85.28) ; U9.E7 v1(60.24,66.44)
  ART10 w0.165: 63.77,66.04 60.64,66.04 v1(60.24,66.44)
  ART10 w0.191: 63.77,66.04 65.75,66.04 75.53,75.82 75.53,76.61 75.92,77 76.81,77 77,77.19 77,77.46 76.31,78.16 76.31,78.43 76.63,78.75 76.9,78.75 77.59,78.05 77.86,78.05 78.12,78.31 78.12,78.58 77.79,78.9 77.79,81.49 77.79,81.49 77.79,82.49 78.09,82.78 78.55,82.78 78.79,83.02 78.79,83.48 79.13,83.82 79.52,83.82 79.72,84.02 79.72,84.52 79.3,84.94 v1(79.3,85.28)
CHA_FPGA_DDR4_C1_DM7: length 31.8
  TOP w0.267: U9.E2 v1(60.24,69.64) ; U1.E25 v1(77.29,83.28)
  ART03 w0.165: 61.74,68.3 61.44,68.6 61.44,69.06 61.25,69.24 60.64,69.24 v1(60.24,69.64)
  ART03 w0.191: v1(77.29,83.28) 75.9,83.28 75.43,82.8 70.86,82.8 69.31,81.25 69.31,79.89 69.12,79.7 68.58,79.7 68.39,79.51 68.39,79.13 68.58,78.94 69.12,78.94 69.31,78.75 69.31,72.59 64.99,68.28 61.76,68.28 61.74,68.3
CHA_FPGA_DDR4_C1_DM8: length 33.2
  TOP w0.267: U1.R22 v1(80.29,94.28) ; U8.E7 v1(60.24,90.57)
  ART03 w0.165: v1(60.24,90.57) 59.75,91.06 58.44,91.06 58.24,91.26 58.24,93.96
  ART03 w0.191: 58.24,93.96 58.51,94.23 66.63,94.23 66.82,94.04 66.82,93.36 67.01,93.17 67.38,93.17 67.57,93.36 67.57,94.02 67.76,94.21 68.14,94.21 68.33,94.02 68.33,93.36 68.52,93.17 68.9,93.17 69.09,93.36 69.09,94.02 69.28,94.21 69.66,94.21 69.85,94.02 69.85,93.36 70.04,93.17 74.3,93.17 74.91,93.78 80.03,93.78 80.29,94.05 v1(80.29,94.28)
CHA_FPGA_DDR4_C1_DQS0_N: length 26.3
  TOP w0.17: U5.F3 v1(59.44,105.04) ; U1.AD26 v1(76.29,103.28)
  ART03 w0.102: v1(76.29,103.28) 76.29,102.98 76.19,102.88 74.84,102.88 74.79,102.93 74.77,102.93
  ART03 w0.178: 74.77,102.93 72.79,102.93 72.61,103.11 72.61,104.21 72.25,104.57 71.29,104.57 70.93,104.21 70.93,103.12 70.75,102.93 70.06,102.93 69.89,103.11 69.89,104.32 69.53,104.67 68.56,104.67 68.18,104.29 68.18,103.11 68,102.93 67.3,102.93 67.12,103.11 67.12,103.76 66.59,104.29 60.87,104.29 60.67,104.5 60.16,104.5 59.96,104.29 59.26,104.29 59.09,104.47 59.09,104.86 59.27,105.04 v1(59.44,105.04)
CHA_FPGA_DDR4_C1_DQS0_P: length 26.3
  TOP w0.17: U5.G3 v1(58.64,105.04) ; U1.AC26 v1(76.29,102.28)
  ART03 w0.102: v1(76.29,102.28) 75.9,102.68 74.84,102.68 74.79,102.63 74.77,102.63
  ART03 w0.178: 74.77,102.63 72.66,102.63 72.3,102.99 72.3,104.09 72.12,104.26 71.42,104.26 71.24,104.09 71.24,102.99 70.88,102.63 69.91,102.63 69.55,102.99 69.55,104.19 69.38,104.37 68.69,104.37 68.49,104.16 68.49,102.99 68.13,102.63 67.17,102.63 66.81,102.99 66.81,103.63 66.46,103.99 59.14,103.99 58.78,104.34 58.78,104.89 v1(58.64,105.04)
CHA_FPGA_DDR4_C1_DQS1_N: length 28.9
  TOP w0.17: U1.AB22 v1(80.29,101.28) ; U5.A7 v1(63.44,102.64)
  ART05 w0.102: v1(80.29,101.28) 80.29,100.86 80.4,100.76 80.61,100.76 80.71,100.86 80.71,102.48 80.5,102.69 76.89,102.69 76.67,102.91 76.67,103.6 76.56,103.71 74.97,103.71 74.92,103.66 74.91,103.66
  ART05 w0.178: v1(63.44,102.64) 63.37,102.64 63.19,102.81 63.19,103.02 63.37,103.2 63.89,103.2 64.24,102.84 64.6,102.84 64.95,103.2 65.31,103.2 65.67,102.84 66.02,102.84 66.38,103.2 66.74,103.2 67.09,102.84 67.45,102.84 67.8,103.2 69.32,103.2 69.68,103.56 69.68,104.21 69.86,104.39 70.57,104.39 70.75,104.21 70.75,102.85 71.1,102.49 72.07,102.49 72.43,102.85 72.43,104.21 72.61,104.39 73.24,104.39 73.42,104.21 73.42,103.56 73.78,103.2 74.44,103.2 74.9,103.66 74.91,103.66